# KiCad board AurisenseV2-rounded.kicad_pcb (continued)
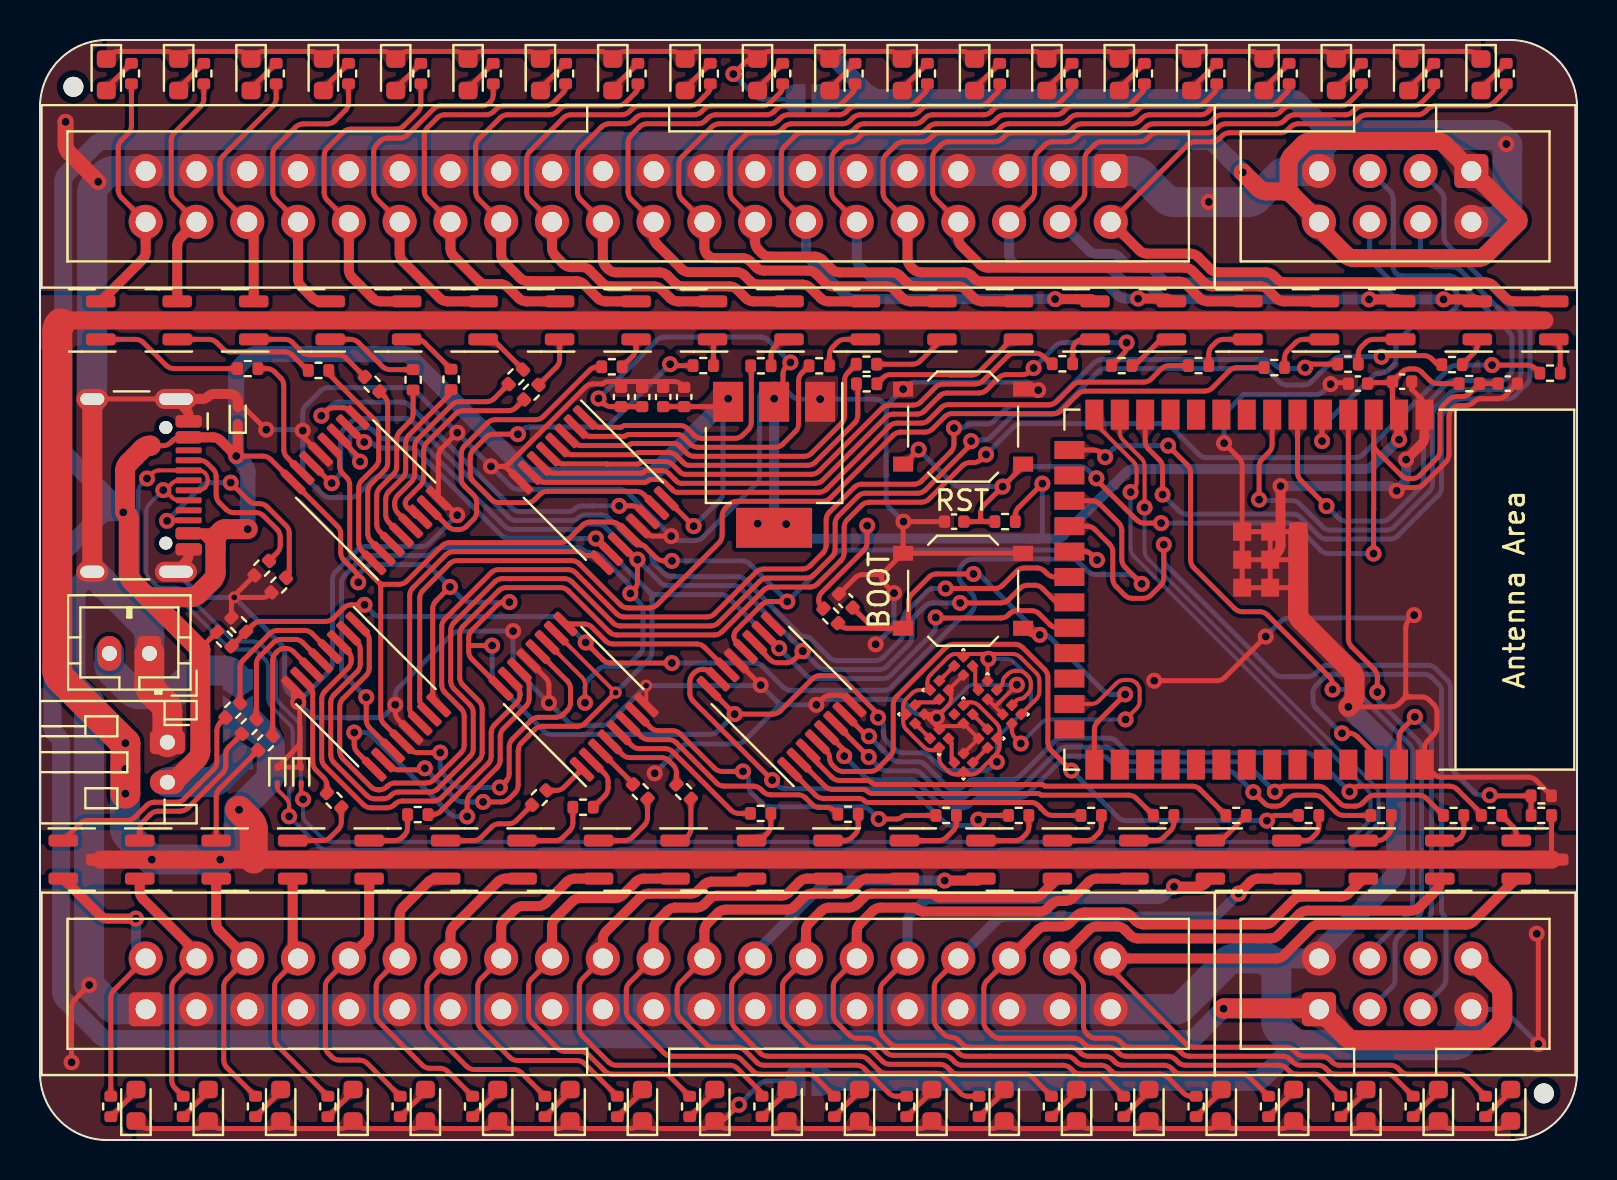
[diagram p0: board, top side]
## Routing (per net, layer and track width the routed paths; a pad name or vN(x,y) marks a point on that pad's centre or on a via; arc(x,y) is an arc through that point) (continued)
LED 1-20: length 77.8
  Top w0.25: D1.1 3.54,54.27 arc(3.71,54.39) 3.92,54.43 6.33,54.43 arc(6.54,54.39) 6.71,54.27 6.79,54.19 arc(6.93,54.13) 7.08,54.19 7.15,54.27 arc(7.33,54.39) 7.54,54.43 9.95,54.43 arc(10.16,54.39) 10.33,54.27 10.41,54.19 arc(10.55,54.13) 10.69,54.19 10.77,54.27 arc(10.95,54.39) 11.16,54.43 13.57,54.43 arc(13.77,54.39) 13.95,54.27 14.03,54.19 arc(14.17,54.13) 14.31,54.19 14.39,54.27 arc(14.57,54.39) 14.78,54.43 17.18,54.43 arc(17.39,54.39) 17.57,54.27 17.65,54.19 arc(17.79,54.13) 17.93,54.19 18.01,54.27 arc(18.19,54.39) 18.39,54.43 20.8,54.43 arc(21.01,54.39) 21.19,54.27 21.27,54.19 arc(21.41,54.13) 21.55,54.19 21.63,54.27 arc(21.8,54.39) 22.01,54.43 24.42,54.43 arc(24.63,54.39) 24.81,54.27 24.88,54.19 arc(25.03,54.13) 25.17,54.19 25.25,54.27 arc(25.42,54.39) 25.63,54.43 28.04,54.43 arc(28.25,54.39) 28.42,54.27 28.5,54.19 arc(28.64,54.13) 28.79,54.19 28.87,54.27 arc(29.04,54.39) 29.25,54.43 31.66,54.43 arc(31.87,54.39) 32.04,54.27 32.12,54.19 arc(32.26,54.13) 32.4,54.19 32.48,54.27 arc(32.66,54.39) 32.87,54.43 35.28,54.43 arc(35.48,54.39) 35.66,54.27 35.74,54.19 ; 35.72,54.05 35.65,54.05 arc(35.44,54.01) 35.26,53.89 34.67,53.3 arc(34.67,53.3) v1(34.67,53.3) ; 35.72,54.05 arc(35.77,54.1) 35.74,54.19 ; 35.72,54.05 arc(35.88,54.09) 36.04,54.21 ; D20.1 71.84,54.27 arc(71.67,54.39) 71.46,54.43 69.05,54.43 arc(68.84,54.39) 68.67,54.27 68.59,54.19 arc(68.45,54.13) 68.31,54.19 68.23,54.27 arc(68.05,54.39) 67.84,54.43 65.43,54.43 arc(65.23,54.39) 65.05,54.27 64.97,54.19 arc(64.83,54.13) 64.69,54.19 64.61,54.27 arc(64.43,54.39) 64.22,54.43 61.82,54.43 arc(61.61,54.39) 61.43,54.27 61.35,54.19 arc(61.21,54.13) 61.07,54.19 60.99,54.27 arc(60.81,54.39) 60.6,54.43 58.2,54.43 arc(57.99,54.39) 57.81,54.27 57.73,54.19 arc(57.59,54.13) 57.45,54.19 57.37,54.27 arc(57.19,54.39) 56.99,54.43 54.58,54.43 arc(54.37,54.39) 54.19,54.27 54.11,54.19 arc(53.97,54.13) 53.83,54.19 53.75,54.27 arc(53.58,54.39) 53.37,54.43 50.96,54.43 arc(50.75,54.39) 50.58,54.27 50.5,54.19 arc(50.35,54.13) 50.21,54.19 50.13,54.27 arc(49.96,54.39) 49.75,54.43 47.34,54.43 arc(47.13,54.39) 46.96,54.27 46.88,54.19 arc(46.74,54.13) 46.59,54.19 46.52,54.27 arc(46.34,54.39) 46.13,54.43 43.72,54.43 arc(43.52,54.39) 43.34,54.27 43.26,54.19 arc(43.12,54.13) 42.98,54.19 42.9,54.27 arc(42.72,54.39) 42.51,54.43 40.1,54.43 arc(39.9,54.39) 39.72,54.27 39.64,54.19 arc(39.5,54.13) 39.36,54.19 39.28,54.27 arc(39.1,54.39) 38.89,54.43 36.49,54.43 arc(36.28,54.39) 36.1,54.27 36.04,54.21 ; 36.04,54.21 arc(35.89,54.14) 35.74,54.19
  Bottom w0.25: v1(34.67,53.3) 35.77,52.2 arc(35.94,52.09) 36.15,52.05 JP2.2
LED 21-40: length 77.5
  Top w0.25: 33.91,0.95 33.94,0.95 arc(34.13,0.99) 34.28,1.09 v1(34.95,1.76) ; 33.91,0.95 arc(33.86,0.9) 33.89,0.81 ; 33.91,0.95 arc(33.75,0.91) 33.61,0.81 ; D21.1 5.02,0.73 arc(5.2,0.61) 5.4,0.57 7.81,0.57 arc(8.02,0.61) 8.2,0.73 8.28,0.81 arc(8.42,0.87) 8.56,0.81 8.64,0.73 arc(8.81,0.61) 9.02,0.57 11.43,0.57 arc(11.64,0.61) 11.82,0.73 11.89,0.81 arc(12.04,0.87) 12.18,0.81 12.26,0.73 arc(12.43,0.61) 12.64,0.57 15.05,0.57 arc(15.26,0.61) 15.43,0.73 15.51,0.81 arc(15.65,0.87) 15.8,0.81 15.87,0.73 arc(16.05,0.61) 16.26,0.57 18.67,0.57 arc(18.88,0.61) 19.05,0.73 19.13,0.81 arc(19.27,0.87) 19.41,0.81 19.49,0.73 arc(19.67,0.61) 19.88,0.57 22.29,0.57 arc(22.49,0.61) 22.67,0.73 22.75,0.81 arc(22.89,0.87) 23.03,0.81 23.11,0.73 arc(23.29,0.61) 23.5,0.57 25.9,0.57 arc(26.11,0.61) 26.29,0.73 26.37,0.81 arc(26.51,0.87) 26.65,0.81 26.73,0.73 arc(26.91,0.61) 27.11,0.57 29.52,0.57 arc(29.73,0.61) 29.91,0.73 29.99,0.81 arc(30.13,0.87) 30.27,0.81 30.35,0.73 arc(30.52,0.61) 30.73,0.57 33.14,0.57 arc(33.35,0.61) 33.53,0.73 33.61,0.81 ; 33.89,0.81 33.97,0.73 arc(34.14,0.61) 34.35,0.57 36.76,0.57 arc(36.97,0.61) 37.14,0.73 37.22,0.81 arc(37.36,0.87) 37.51,0.81 37.59,0.73 arc(37.76,0.61) 37.97,0.57 40.38,0.57 arc(40.59,0.61) 40.76,0.73 40.84,0.81 arc(40.98,0.87) 41.12,0.81 41.2,0.73 arc(41.38,0.61) 41.59,0.57 44,0.57 arc(44.2,0.61) 44.38,0.73 44.46,0.81 arc(44.6,0.87) 44.74,0.81 44.82,0.73 arc(45,0.61) 45.21,0.57 47.61,0.57 arc(47.82,0.61) 48,0.73 48.08,0.81 arc(48.22,0.87) 48.36,0.81 48.44,0.73 arc(48.62,0.61) 48.82,0.57 51.23,0.57 arc(51.44,0.61) 51.62,0.73 51.7,0.81 arc(51.84,0.87) 51.98,0.81 52.06,0.73 arc(52.24,0.61) 52.44,0.57 54.85,0.57 arc(55.06,0.61) 55.24,0.73 55.31,0.81 arc(55.46,0.87) 55.6,0.81 55.68,0.73 arc(55.85,0.61) 56.06,0.57 58.47,0.57 arc(58.68,0.61) 58.85,0.73 58.93,0.81 arc(59.07,0.87) 59.22,0.81 59.3,0.73 arc(59.47,0.61) 59.68,0.57 62.09,0.57 arc(62.3,0.61) 62.47,0.73 62.55,0.81 arc(62.69,0.87) 62.83,0.81 62.91,0.73 arc(63.09,0.61) 63.3,0.57 65.71,0.57 arc(65.91,0.61) 66.09,0.73 66.17,0.81 arc(66.31,0.87) 66.45,0.81 66.53,0.73 arc(66.71,0.61) 66.92,0.57 69.32,0.57 arc(69.53,0.61) 69.71,0.73 69.79,0.81 arc(69.93,0.87) 70.07,0.81 70.15,0.73 arc(70.33,0.61) 70.54,0.57 72.94,0.57 arc(73.15,0.61) 73.33,0.73 D44.1 ; 33.89,0.81 arc(33.75,0.87) 33.61,0.81
  Bottom w0.25: v1(34.95,1.76) 35.99,2.8 arc(36.16,2.91) 36.37,2.95 JP3.2
LED Input: length 12.8
  Top w0.2: v1(54.29,21.03) 54.83,21.58 arc(54.95,21.75) 54.99,21.96 54.99,22.45 arc(54.95,22.66) 54.83,22.84 54.83,22.84 arc(54.65,22.96) 54.44,23 54.22,23 arc(54.01,22.96) 53.84,22.84 52.95,21.96 arc(52.78,21.84) 52.57,21.8 U1.25 ; U5.4 48.6,20.5 arc(48.64,20.29) 48.76,20.11 v1(49.05,19.83)
  Bottom w0.2: v1(54.29,21.03) 50.48,21.03 arc(50.27,20.99) 50.09,20.87 v1(49.05,19.83)
master reclear: length 71.6
  Top w0.2: v2(28.79,22.37) U11.10
  Top w0.25: v2(28.79,22.37) 27.26,20.84 arc(27.09,20.73) 26.88,20.69 25.12,20.69 arc(24.92,20.64) 24.74,20.53 24.42,20.2 arc(24.41,20.2) 24.41,20.2 arc(24.41,20.19) 24.41,20.19 24.07,19.85 arc(23.96,19.68) 23.91,19.47 23.91,17.74 arc(23.87,17.54) 23.75,17.36 23.46,17.06 arc(23.28,16.94) 23.07,16.9 v1(22.16,16.9) ; v1(16.21,34.89) 16.2,34.89 arc(16.19,34.9) 16.18,34.9 U2.10 ; U6.10 v1(27.8,30.08) ; U1.22 50.89,25.61 arc(50.68,25.65) 50.51,25.77 49.97,26.31 arc(49.79,26.43) 49.58,26.47 48.87,26.47 arc(48.66,26.43) 48.49,26.31 48.43,26.26 arc(48.25,26.14) 48.05,26.1 44.85,26.1 arc(44.83,26.1) 44.81,26.11 v1(44.79,26.13) ; v1(36.96,24.59) 36.96,24.59 arc(36.96,24.59) 36.96,24.59 U4.10 ; v1(19.25,18.59) 19.21,18.55 arc(19.17,18.52) 19.12,18.51 17.89,18.51 arc(17.68,18.55) 17.5,18.67 U9.10
  Bottom w0.25: 30.6,27.04 30.6,24.41 arc(30.56,24.2) 30.44,24.03 v2(28.79,22.37) ; 30.6,27.04 arc(30.56,27.25) 30.44,27.43 ; 30.6,27.04 arc(30.66,27.2) 30.8,27.27 ; 30.8,27.27 34.05,27.27 arc(34.26,27.23) 34.44,27.11 v1(36.96,24.59) 38.32,23.23 arc(38.5,23.11) 38.7,23.07 42.15,23.07 arc(42.35,23.11) 42.53,23.23 44.63,25.33 arc(44.75,25.51) 44.79,25.72 v1(44.79,26.13) ; 30.8,27.27 arc(30.61,27.31) 30.44,27.43 ; 30.44,27.43 v1(27.8,30.08) 23.45,30.08 arc(23.24,30.12) 23.06,30.24 18.86,34.44 arc(18.68,34.56) 18.47,34.6 17.1,34.6 arc(16.91,34.64) 16.75,34.75 16.74,34.76 arc(16.59,34.86) 16.41,34.89 v1(16.21,34.89) ; v1(19.25,18.59) 20.77,17.06 arc(20.95,16.94) 21.16,16.9 v1(22.16,16.9)
MISO - A: length 37.8
  Top w0.25: v1(56.41,34.72) 57.38,33.75 arc(57.5,33.58) 57.54,33.37 57.54,29 arc(57.58,28.79) 57.7,28.61 59.74,26.57 arc(59.92,26.46) 60.12,26.41 60.99,26.41 arc(61.2,26.37) 61.38,26.26 64.48,23.15 arc(64.6,22.98) 64.64,22.77 v1(64.64,22.52) ; U1.15 52.68,34.5 arc(52.89,34.46) 53.07,34.34 v1(53.26,34.14)
  Bottom w0.25: 66.5,9.38 68.48,11.36 arc(68.6,11.53) 68.64,11.74 68.64,19.39 arc(68.6,19.59) 68.48,19.77 65.89,22.37 arc(65.71,22.48) 65.5,22.52 v1(64.64,22.52) ; v1(53.26,34.14) 53.68,34.56 arc(53.86,34.68) 54.06,34.72 v1(56.41,34.72)
MISO - B: length 33.7
  Top w0.25: U1.7 61.62,34.77 arc(61.58,34.57) 61.46,34.39 61.12,34.05 arc(61.01,33.88) 60.96,33.67 v1(60.96,32.02)
  Bottom w0.25: v1(60.96,32.02) 60.99,31.99 arc(61.02,31.98) 61.05,31.97 62.61,31.97 arc(62.82,31.93) 63,31.81 64.15,30.65 arc(64.33,30.54) 64.54,30.49 67.33,30.49 arc(67.54,30.54) 67.71,30.65 68.43,31.37 arc(68.44,31.38) 68.44,31.39 arc(68.44,31.39) 68.44,31.4 69.48,32.44 arc(69.6,32.61) 69.64,32.82 69.64,36.25 arc(69.68,36.45) 69.8,36.63 70.52,37.35 arc(70.69,37.47) 70.9,37.51 73.19,37.51 arc(73.4,37.55) 73.57,37.67 73.9,38 arc(74.02,38.17) 74.06,38.38 74.06,40.23 arc(74.02,40.44) 73.9,40.61 71.02,43.5 arc(70.84,43.61) 70.64,43.66 69.8,43.66 arc(69.59,43.7) 69.42,43.82 69.2,44.04 arc(69.08,44.21) 69.04,44.42 69.04,45.61
MOSI - A: length 28.9
  Top w0.25: U1.38 66.7,19.12 arc(66.66,19.33) 66.54,19.51 65.87,20.18 arc(65.69,20.3) 65.48,20.34 v1(65.11,20.34)
  Bottom w0.25: v1(65.11,20.34) 65.09,20.34 arc(65.08,20.34) 65.07,20.35 63.82,21.6 arc(63.7,21.77) 63.66,21.98 63.66,22.34 arc(63.7,22.55) 63.82,22.73 64.22,23.13 arc(64.4,23.25) 64.61,23.29 69.22,23.29 arc(69.43,23.25) 69.61,23.13 69.93,22.81 arc(70.05,22.63) 70.09,22.42 70.09,11.5 arc(70.12,11.36) 70.2,11.23 arc(70.28,11.11) 70.31,10.97 70.31,8.03 arc(70.27,7.82) 70.15,7.65 J7.5
MOSI - B: length 34.5
  Top w0.25: v1(64.34,31.69) 63.05,32.99 arc(62.93,33.16) 62.89,33.37 U1.6
  Bottom w0.25: v1(64.34,31.69) 64.93,31.1 arc(65.11,30.99) 65.31,30.94 67.13,30.94 arc(67.33,30.99) 67.51,31.1 69.03,32.62 arc(69.15,32.8) 69.19,33.01 69.19,36.43 arc(69.23,36.64) 69.35,36.82 69.95,37.42 arc(69.95,37.42) 69.95,37.43 arc(69.95,37.43) 69.96,37.44 70.33,37.81 arc(70.51,37.93) 70.71,37.97 72.12,37.97 arc(72.12,37.97) 72.13,37.96 arc(72.14,37.96) 72.15,37.96 73,37.96 arc(73.21,38) 73.39,38.12 73.45,38.18 arc(73.57,38.36) 73.61,38.57 73.61,40.04 arc(73.57,40.25) 73.45,40.43 70.84,43.05 arc(70.66,43.16) 70.45,43.21 68.13,43.21 arc(67.96,43.24) 67.81,43.34 arc(67.71,43.49) 67.67,43.66 67.67,47.05 arc(67.63,47.26) 67.51,47.43 J6.5
motor 1 anode: length 12.6
  Top w0.25: J4.40 4.07,47.13 arc(3.95,47.3) 3.91,47.51 3.91,49.6 arc(3.95,49.81) 4.07,49.98 4.41,50.33 arc(4.53,50.51) 4.57,50.71 R2.1
  Top w0.5: Q1.2 5.13,44.02 arc(5.24,44.19) 5.29,44.4 J4.40
motor 2 anode: length 12.4
  Top w0.25: J4.38 6.72,47.02 arc(6.6,47.19) 6.56,47.4 6.56,49.98 arc(6.6,50.19) 6.72,50.36 8.03,51.68 arc(8.15,51.86) 8.19,52.06 R4.1
  Top w0.5: Q2.2 6.86,44.72 arc(6.9,44.93) 7.02,45.11 J4.38
motor 3 anode: length 13.2
  Top w0.25: R6.1 11.81,52.09 arc(11.77,51.88) 11.65,51.71 9.16,49.22 arc(9.04,49.04) 9,48.83 9,47.5 arc(9.04,47.29) 9.16,47.12 10.47,45.8
  Top w0.5: 10.36,45.76 10.36,45.61 ; 10.36,45.76 arc(10.34,45.9) 10.26,46.02 ; 10.36,45.76 arc(10.4,45.82) 10.47,45.8 10.53,45.75 arc(10.65,45.57) 10.69,45.36 Q3.2
motor 4 anode: length 14.9
  Top w0.25: R8.1 15.43,51.87 arc(15.39,51.66) 15.27,51.49 14.75,50.96 arc(14.57,50.85) 14.36,50.8 13.16,50.8 arc(12.96,50.76) 12.78,50.65 11.8,49.66 arc(11.68,49.49) 11.64,49.28 11.64,47.4 arc(11.68,47.19) 11.8,47.02 J4.34
  Top w0.5: J4.34 12.9,43.05 arc(12.95,42.85) 13.06,42.67 13.64,42.09 arc(13.82,41.97) 14.03,41.93 Q4.2
motor 5 anode: length 16.9
  Top w0.25: J4.32 14.37,46.99 arc(14.25,47.16) 14.21,47.37 14.21,49.21 arc(14.25,49.42) 14.37,49.59 15.16,50.39 arc(15.34,50.5) 15.54,50.55 17.8,50.55 arc(18.01,50.59) 18.19,50.7 18.89,51.4 arc(19.01,51.58) 19.05,51.79 R10.1
  Top w0.5: Q5.2 17.03,41.93 arc(16.82,41.97) 16.64,42.09 15.6,43.13 arc(15.49,43.31) 15.44,43.51 J4.32
motor 6 anode: length 18.7
  Top w0.25: R12.1 22.67,52.27 arc(22.62,52.06) 22.51,51.88 22.49,51.87 arc(22.32,51.75) 22.11,51.71 20.06,51.71 arc(19.85,51.67) 19.67,51.55 18.37,50.25 arc(18.2,50.14) 17.99,50.09 17.38,50.09 arc(17.18,50.05) 17,49.94 16.85,49.78 arc(16.73,49.61) 16.69,49.4 16.69,47.43 arc(16.73,47.22) 16.85,47.05 J4.30
  Top w0.5: J4.30 17.98,44.32 arc(18.03,44.12) 18.14,43.94 19.99,42.09 arc(20.17,41.97) 20.38,41.93 Q6.2
motor 7 anode: length 21.1
  Top w0.25: J4.28 19.38,47.06 arc(19.26,47.23) 19.22,47.44 19.22,50.24 arc(19.26,50.45) 19.38,50.62 19.86,51.1 arc(20.04,51.22) 20.24,51.26 22.3,51.26 arc(22.5,51.3) 22.68,51.42 22.81,51.55 arc(22.99,51.67) 23.2,51.71 25.28,51.71 arc(25.49,51.75) 25.67,51.87 26.17,52.37 arc(26.25,52.5) 26.28,52.65 R14.1
  Top w0.5: Q7.2 24.33,41.93 arc(24.12,41.97) 23.94,42.09 23.4,42.64 arc(23.22,42.75) 23.01,42.79 22.31,42.79 arc(22.11,42.84) 21.93,42.95 20.68,44.2 arc(20.57,44.38) 20.53,44.58 J4.28
motor 8 anode: length 23.3
  Top w0.25: J4.26 21.95,47.03 arc(21.83,47.2) 21.79,47.41 21.79,49.67 arc(21.83,49.88) 21.95,50.05 23,51.1 arc(23.18,51.22) 23.38,51.26 25.47,51.26 arc(25.68,51.3) 25.85,51.42 25.98,51.55 arc(26.16,51.67) 26.37,51.71 28.9,51.71 arc(29.11,51.75) 29.29,51.87 29.79,52.37 arc(29.87,52.5) 29.9,52.65 R16.1
  Top w0.5: Q8.2 28.28,41.93 arc(28.07,41.97) 27.89,42.09 27.2,42.79 arc(27.02,42.9) 26.81,42.94 24.39,42.94 arc(24.18,42.99) 24,43.1 23.22,43.88 arc(23.11,44.06) 23.07,44.27 J4.26
motor 9 anode: length 25
  Top w0.25: R18.1 33.52,52.65 arc(33.49,52.5) 33.41,52.37 32.9,51.87 arc(32.73,51.75) 32.52,51.71 29.99,51.71 arc(29.78,51.67) 29.6,51.55 29.47,51.42 arc(29.3,51.3) 29.09,51.26 26.56,51.26 arc(26.35,51.22) 26.17,51.1 24.5,49.43 arc(24.38,49.25) 24.34,49.04 24.34,47.4 arc(24.38,47.19) 24.5,47.02 J4.24
  Top w0.5: Q9.2 31.9,41.93 arc(31.69,41.97) 31.52,42.09 31.09,42.52 arc(30.91,42.64) 30.7,42.68 28.52,42.68 arc(28.31,42.72) 28.13,42.84 27.49,43.49 arc(27.31,43.6) 27.1,43.64 26.56,43.64 arc(26.36,43.69) 26.18,43.8 25.76,44.22 arc(25.65,44.4) 25.61,44.6 J4.24
motor 10 anode: length 27.8
  Top w0.25: R20.1 37.14,52.65 arc(37.11,52.5) 37.02,52.37 36.52,51.87 arc(36.35,51.75) 36.14,51.71 33.61,51.71 arc(33.4,51.67) 33.22,51.55 33.09,51.42 arc(32.91,51.3) 32.71,51.26 30.17,51.26 arc(29.97,51.22) 29.79,51.1 29.66,50.97 arc(29.48,50.85) 29.27,50.81 28.46,50.81 arc(28.25,50.77) 28.08,50.65 27.04,49.61 arc(26.92,49.44) 26.88,49.23 26.88,47.4 arc(26.92,47.19) 27.04,47.02 J4.22
  Top w0.5: Q10.2 35.68,41.93 arc(35.47,41.97) 35.29,42.09 34.86,42.52 arc(34.68,42.64) 34.48,42.68 32.14,42.68 arc(31.93,42.72) 31.76,42.84 31.38,43.22 arc(31.2,43.34) 30.99,43.38 28.81,43.38 arc(28.6,43.42) 28.42,43.54 28.3,43.66 arc(28.19,43.84) 28.14,44.04 J4.22
motor 11 anode: length 29.8
  Top w0.25: J4.20 29.57,47.03 arc(29.45,47.2) 29.41,47.41 29.41,49.86 arc(29.45,50.07) 29.57,50.24 29.98,50.65 arc(30.15,50.77) 30.36,50.81 32.89,50.81 arc(33.1,50.85) 33.28,50.97 33.41,51.1 arc(33.58,51.22) 33.79,51.26 36.32,51.26 arc(36.53,51.3) 36.71,51.42 36.84,51.55 arc(37.02,51.67) 37.22,51.71 39.76,51.71 arc(39.96,51.75) 40.14,51.87 40.64,52.37 arc(40.73,52.5) 40.76,52.65 R22.1
  Top w0.5: Q11.2 39.43,41.93 arc(39.22,41.97) 39.04,42.09 38.52,42.61 arc(38.35,42.73) 38.14,42.77 35.91,42.77 arc(35.71,42.81) 35.53,42.93 35.22,43.24 arc(35.05,43.35) 34.84,43.39 32.46,43.39 arc(32.26,43.44) 32.08,43.55 30.84,44.79 arc(30.73,44.97) 30.68,45.17 J4.20
motor 12 anode: length 31.8
  Top w0.25: R24.1 44.38,52.65 arc(44.35,52.5) 44.26,52.37 43.76,51.87 arc(43.58,51.75) 43.37,51.71 40.84,51.71 arc(40.63,51.67) 40.46,51.55 40.33,51.42 arc(40.15,51.3) 39.94,51.26 37.41,51.26 arc(37.2,51.22) 37.03,51.1 36.89,50.97 arc(36.72,50.85) 36.51,50.81 33.98,50.81 arc(33.77,50.77) 33.59,50.65 32.11,49.17 arc(31.99,48.99) 31.95,48.78 31.95,47.41 arc(31.99,47.2) 32.11,47.03 J4.18
  Top w0.5: J4.18 33.22,44.63 arc(33.27,44.42) 33.38,44.25 arc(33.55,44.14) 33.76,44.09 35.13,44.09 arc(35.34,44.05) 35.51,43.94 35.82,43.63 arc(36,43.51) 36.2,43.47 38.43,43.47 arc(38.64,43.43) 38.81,43.31 39.28,42.84 arc(39.46,42.72) 39.67,42.68 42.33,42.68 arc(42.53,42.64) 42.71,42.52 43.14,42.09 arc(43.32,41.97) 43.53,41.93 Q12.2
motor 13 anode: length 34.2
  Top w0.25: J4.16 34.67,47.01 arc(34.55,47.18) 34.51,47.39 34.51,49.26 arc(34.55,49.47) 34.67,49.64 35.23,50.2 arc(35.4,50.32) 35.61,50.36 36.7,50.36 arc(36.9,50.4) 37.08,50.52 37.21,50.65 arc(37.39,50.77) 37.6,50.81 40.13,50.81 arc(40.34,50.85) 40.51,50.97 40.64,51.1 arc(40.82,51.22) 41.03,51.26 43.56,51.26 arc(43.77,51.3) 43.95,51.42 44.08,51.55 arc(44.25,51.67) 44.46,51.71 46.99,51.71 arc(47.2,51.75) 47.38,51.87 47.88,52.37 arc(47.96,52.5) 47.99,52.65 R26.1
  Top w0.5: J4.16 35.77,44.9 arc(35.81,44.69) 35.92,44.51 36.11,44.33 arc(36.29,44.21) 36.49,44.17 38.74,44.17 arc(38.95,44.13) 39.12,44.01 39.59,43.54 arc(39.77,43.42) 39.98,43.38 42.62,43.38 arc(42.82,43.34) 43,43.22 43.38,42.84 arc(43.56,42.72) 43.77,42.68 45.9,42.68 arc(46.11,42.64) 46.29,42.52 46.72,42.09 arc(46.89,41.97) 47.1,41.93 Q13.2
motor 14 anode: length 37
  Top w0.25: R28.1 51.61,52.65 arc(51.58,52.5) 51.5,52.37 51,51.87 arc(50.82,51.75) 50.61,51.71 48.08,51.71 arc(47.87,51.67) 47.69,51.55 47.56,51.42 arc(47.39,51.3) 47.18,51.26 44.65,51.26 arc(44.44,51.22) 44.26,51.1 44.13,50.97 arc(43.96,50.85) 43.75,50.81 41.22,50.81 arc(41.01,50.77) 40.83,50.65 40.7,50.52 arc(40.52,50.4) 40.31,50.36 38.14,50.36 arc(37.93,50.32) 37.76,50.2 37.23,49.67 arc(37.11,49.5) 37.07,49.29 37.07,47.37 arc(37.11,47.16) 37.23,46.99 J4.14
  Top w0.5: Q14.2 52.7,41.99 arc(52.64,42.03) 52.56,42.04 v1(50.76,42.04)
  Bottom w0.5: J4.14 38.3,44.45 arc(38.35,44.25) 38.46,44.07 40.33,42.2 arc(40.51,42.09) 40.71,42.04 v1(50.76,42.04)
motor 15 anode: length 39.4
  Top w0.25: R30.1 55.23,52.65 arc(55.2,52.5) 55.12,52.37 54.61,51.87 arc(54.44,51.75) 54.23,51.71 51.7,51.71 arc(51.49,51.67) 51.31,51.55 51.18,51.42 arc(51.01,51.3) 50.8,51.26 48.27,51.26 arc(48.06,51.22) 47.88,51.1 47.75,50.97 arc(47.57,50.85) 47.37,50.81 44.83,50.81 arc(44.63,50.77) 44.45,50.65 44.32,50.52 arc(44.14,50.4) 43.93,50.36 41.4,50.36 arc(41.19,50.32) 41.02,50.2 40.89,50.07 arc(40.71,49.95) 40.5,49.91 40.45,49.91 arc(40.24,49.87) 40.07,49.75 39.75,49.43 arc(39.63,49.26) 39.59,49.05 39.59,47.39 arc(39.63,47.18) 39.75,47.01 J4.12
  Top w0.5: Q15.2 56.51,42 arc(56.43,42.05) 56.34,42.07 v1(54.91,42.07)
  Bottom w0.5: v1(54.91,42.07) 54.28,42.07 arc(54.07,42.11) 53.89,42.23 53.39,42.74 arc(53.21,42.85) 53,42.89 42.01,42.89 arc(41.81,42.94) 41.63,43.05 41,43.68 arc(40.89,43.86) 40.84,44.06 J4.12
motor 16 anode: length 41.6
  Top w0.25: R32.1 58.85,52.65 arc(58.82,52.5) 58.73,52.37 58.23,51.87 arc(58.06,51.75) 57.85,51.71 55.32,51.71 arc(55.11,51.67) 54.93,51.55 54.8,51.42 arc(54.62,51.3) 54.42,51.26 51.9,51.26 arc(51.69,51.22) 51.52,51.1 51.38,50.97 arc(51.21,50.85) 51,50.81 48.45,50.81 arc(48.24,50.77) 48.07,50.65 47.94,50.52 arc(47.76,50.4) 47.55,50.36 45.02,50.36 arc(44.81,50.32) 44.64,50.2 44.5,50.07 arc(44.33,49.95) 44.12,49.91 43.18,49.91 arc(42.97,49.87) 42.8,49.75 42.32,49.27 arc(42.2,49.1) 42.16,48.89 42.16,47.36 arc(42.2,47.15) 42.32,46.98 J4.10
  Top w0.5: J4.10 43.39,44.05 arc(43.43,43.85) 43.54,43.67 43.67,43.54 arc(43.85,43.43) 44.05,43.38 46.19,43.38 arc(46.4,43.34) 46.57,43.23 46.72,43.08 arc(46.9,42.96) 47.1,42.92 56.95,42.92 arc(57.16,42.88) 57.34,42.76 58.01,42.09 arc(58.18,41.97) 58.39,41.93 Q16.2
motor 17 anode: length 43.5
  Top w0.25: J4.8 44.8,47.04 arc(44.68,47.21) 44.64,47.42 44.64,49.11 arc(44.68,49.32) 44.8,49.49 45.06,49.75 arc(45.23,49.87) 45.44,49.91 47.74,49.91 arc(47.95,49.95) 48.12,50.07 48.25,50.2 arc(48.43,50.32) 48.64,50.36 51.19,50.36 arc(51.39,50.4) 51.57,50.52 51.7,50.65 arc(51.88,50.77) 52.09,50.81 54.6,50.81 arc(54.81,50.85) 54.99,50.97 55.12,51.1 arc(55.29,51.22) 55.5,51.26 58.03,51.26 arc(58.24,51.3) 58.42,51.42 58.55,51.55 arc(58.73,51.67) 58.93,51.71 61.47,51.71 arc(61.67,51.75) 61.85,51.87 62.35,52.37 arc(62.44,52.5) 62.47,52.65 R34.1
  Top w0.5: Q17.2 62.21,41.93 arc(62.01,41.97) 61.83,42.09 61.4,42.52 arc(61.22,42.64) 61.01,42.68 58.63,42.68 arc(58.42,42.72) 58.25,42.84 57.63,43.46 arc(57.45,43.58) 57.24,43.62 47.39,43.62 arc(47.19,43.66) 47.01,43.78 46.08,44.7 arc(45.97,44.88) 45.92,45.09 J4.8
motor 18 anode: length 43.7
  Top w0.25: R36.1 66.09,52.65 arc(66.06,52.5) 65.97,52.37 65.47,51.87 arc(65.29,51.75) 65.08,51.71 62.55,51.71 arc(62.34,51.67) 62.17,51.55 62.04,51.42 arc(61.86,51.3) 61.65,51.26 59.12,51.26 arc(58.91,51.22) 58.74,51.1 58.61,50.97 arc(58.43,50.85) 58.22,50.81 55.69,50.81 arc(55.48,50.77) 55.3,50.65 55.17,50.52 arc(55,50.4) 54.79,50.36 52.27,50.36 arc(52.07,50.32) 51.89,50.2 51.76,50.07 arc(51.58,49.95) 51.37,49.91 50.63,49.91 arc(50.42,49.87) 50.25,49.75 49.9,49.4 arc(49.78,49.23) 49.74,49.02 49.74,47.41 arc(49.7,47.2) 49.58,47.02 J4.6
  Top w0.5: v1(66.46,42.03) 67.88,42.03 arc(67.95,42.02) 68,41.98 Q18.2
  Bottom w0.5: v1(66.46,42.03) 56.38,42.03 arc(56.17,42.07) 56,42.19 55.43,42.76 arc(55.25,42.88) 55.04,42.92 54.42,42.92 arc(54.21,42.96) 54.03,43.08 53.68,43.44 arc(53.5,43.55) 53.29,43.59 49.16,43.59 arc(48.96,43.64) 48.78,43.75 48.62,43.91 arc(48.51,44.09) 48.46,44.29 J4.6
motor 19 anode: length 45
  Top w0.25: J4.4 52.09,46.99 arc(52.21,47.17) 52.25,47.38 52.25,49.05 arc(52.29,49.26) 52.41,49.43 52.73,49.75 arc(52.9,49.87) 53.11,49.91 54.99,49.91 arc(55.2,49.95) 55.37,50.07 55.51,50.2 arc(55.68,50.32) 55.89,50.36 58.41,50.36 arc(58.61,50.4) 58.79,50.52 58.92,50.65 arc(59.1,50.77) 59.31,50.81 61.84,50.81 arc(62.05,50.85) 62.22,50.97 62.36,51.1 arc(62.53,51.22) 62.74,51.26 65.27,51.26 arc(65.48,51.3) 65.66,51.42 65.79,51.55 arc(65.96,51.67) 66.17,51.71 68.7,51.71 arc(68.91,51.75) 69.09,51.87 69.59,52.37 arc(69.67,52.5) 69.7,52.65 R38.1
  Top w0.5: Q19.2 71.83,41.98 arc(71.77,42.02) 71.71,42.03 v1(70.19,42.03)
  Bottom w0.5: J4.4 52.45,44.47 arc(52.62,44.35) 52.83,44.31 53.57,44.31 arc(53.78,44.27) 53.95,44.15 54.32,43.78 arc(54.5,43.66) 54.71,43.62 55.33,43.62 arc(55.54,43.58) 55.72,43.46 56.14,43.04 arc(56.31,42.92) 56.52,42.88 66.59,42.88 arc(66.8,42.84) 66.98,42.72 67.51,42.19 arc(67.68,42.07) 67.89,42.03 v1(70.19,42.03)
motor 20 anode: length 46.2
  Top w0.25: J4.2 57.39,49.75 arc(57.56,49.87) 57.77,49.91 58.59,49.91 arc(58.8,49.95) 58.98,50.07 59.11,50.2 arc(59.29,50.32) 59.49,50.36 62.03,50.36 arc(62.23,50.4) 62.41,50.52 62.54,50.65 arc(62.72,50.77) 62.93,50.81 65.46,50.81 arc(65.67,50.85) 65.84,50.97 65.97,51.1 arc(66.15,51.22) 66.36,51.26 68.89,51.26 arc(69.1,51.3) 69.27,51.42 69.4,51.55 arc(69.58,51.67) 69.79,51.71 72.32,51.71 arc(72.53,51.75) 72.71,51.87 73.21,52.37 arc(73.29,52.5) 73.32,52.65 R40.1
  Top w0.5: Q20.2 73.69,41.93 arc(73.48,41.97) 73.3,42.09 72.67,42.72 arc(72.5,42.84) 72.29,42.88 62.26,42.88 arc(62.05,42.92) 61.87,43.04 61.69,43.22 arc(61.51,43.34) 61.3,43.38 58.92,43.38 arc(58.71,43.42) 58.54,43.54 57.92,44.16 arc(57.74,44.28) 57.53,44.32 55.36,44.32 arc(55.15,44.36) 54.98,44.48 J4.2
motor 21 anode: length 14.2
  Top w0.25: J5.2 3.7,7.49 arc(3.58,7.32) 3.54,7.11 R42.1
  Top w0.5: Q21.2 3.01,11.23 arc(3.18,11.11) 3.39,11.07 v1(4.8,11.07)
  Bottom w0.5: J5.2 4.96,9.4 arc(4.84,9.58) 4.8,9.79 v1(4.8,11.07)
motor 22 anode: length 12.7
  Top w0.25: 7.72,8.97 6.75,8 arc(6.63,7.82) 6.59,7.61 6.59,2.98 arc(6.63,2.77) 6.75,2.6 R44.1
  Top w0.5: Q22.2 4.99,12.44 arc(5.03,12.23) 5.15,12.05 7.72,9.48 arc(7.8,9.36) 7.82,9.23 arc(7.8,9.09) 7.72,8.97
motor 23 anode: length 12.5
  Top w0.25: J5.6 9.35,8.06 arc(9.23,7.88) 9.19,7.68 9.19,4 arc(9.23,3.79) 9.35,3.61 R46.1
  Top w0.5: Q23.2 8.81,10.85 arc(8.85,10.65) 8.97,10.47 9.96,9.48 arc(10.08,9.4) 10.21,9.38 10.36,9.38
motor 24 anode: length 12.4
  Top w0.25: R48.1 11.89,4.69 arc(11.77,4.87) 11.73,5.08 11.73,7.68 arc(11.77,7.88) 11.89,8.06 12.77,8.94
  Top w0.5: Q24.2 12.64,9.53 arc(12.67,9.36) 12.77,9.21 arc(12.83,9.08) 12.77,8.94
motor 25 anode: length 14.1
  Top w0.25: J5.10 14.43,8.06 arc(14.31,7.88) 14.27,7.68 14.27,4.7 arc(14.31,4.49) 14.43,4.31 14.59,4.15 arc(14.77,4.04) 14.97,4 15.98,4 arc(16.19,3.95) 16.37,3.84 R50.1
  Top w0.5: Q25.2 16.46,10.32 arc(16.42,10.11) 16.3,9.93 J5.10
motor 26 anode: length 15.2
  Top w0.25: J5.12 16.97,8.06 arc(16.85,7.88) 16.81,7.68 16.81,6.27 arc(16.85,6.07) 16.97,5.89 19.12,3.74 arc(19.29,3.63) 19.5,3.58 20.01,3.58 arc(20.22,3.54) 20.39,3.43 R52.1
  Top w0.5: J5.12 17.98,11.24 arc(18.03,11.45) 18.14,11.62 19.43,12.91 arc(19.61,13.03) 19.82,13.07 Q26.2
motor 27 anode: length 17.2
  Top w0.25: J5.14 19.51,8.06 arc(19.39,7.88) 19.35,7.68 19.35,5.89 arc(19.39,5.68) 19.51,5.5 21.33,3.68 arc(21.51,3.57) 21.71,3.52 23.69,3.52 arc(23.9,3.48) 24.07,3.37 R54.1
  Top w0.5: Q27.2 23.29,13.07 arc(23.08,13.03) 22.91,12.91 20.68,10.69 arc(20.57,10.51) 20.53,10.31 J5.14
motor 28 anode: length 19.7
  Top w0.25: J5.16 22.05,8.06 arc(21.93,7.88) 21.89,7.68 21.89,5.96 arc(21.93,5.75) 22.05,5.57 23.49,4.13 arc(23.67,4.02) 23.87,3.97 26.86,3.97 arc(27.06,3.93) 27.24,3.82 R56.1
  Top w0.5: J5.16 23.07,10.62 arc(23.11,10.83) 23.22,11 23.75,11.54 arc(23.93,11.65) 24.14,11.69 24.91,11.69 arc(25.12,11.74) 25.3,11.85 26.36,12.91 arc(26.53,13.03) 26.74,13.07 Q28.2
motor 29 anode: length 21.8
  Top w0.25: R59.1 31.55,3.13 arc(31.37,3.25) 31.16,3.29 28.63,3.29 arc(28.42,3.33) 28.24,3.45 27.43,4.27 arc(27.25,4.38) 27.04,4.42 26.26,4.42 arc(26.06,4.47) 25.88,4.58 24.59,5.87 arc(24.47,6.05) 24.43,6.26 24.43,7.68 arc(24.47,7.88) 24.59,8.06 J5.18
  Top w0.5: Q29.2 30.19,13.07 arc(29.98,13.03) 29.81,12.91 29.15,12.25 arc(28.97,12.14) 28.76,12.09 27.01,12.09 arc(26.81,12.05) 26.63,11.94 25.76,11.07 arc(25.65,10.89) 25.61,10.69 J5.18
motor 30 anode: length 24.3
  Top w0.25: J5.20 27.13,8.06 arc(27.01,7.88) 26.97,7.68 26.97,5.58 arc(27.01,5.38) 27.13,5.2 28.43,3.9 arc(28.61,3.78) 28.82,3.74 34.49,3.74 arc(34.7,3.7) 34.87,3.58 36.05,2.4 arc(36.09,2.34) 36.11,2.27 R61.1